# Allegro board Learn.brd (continued)
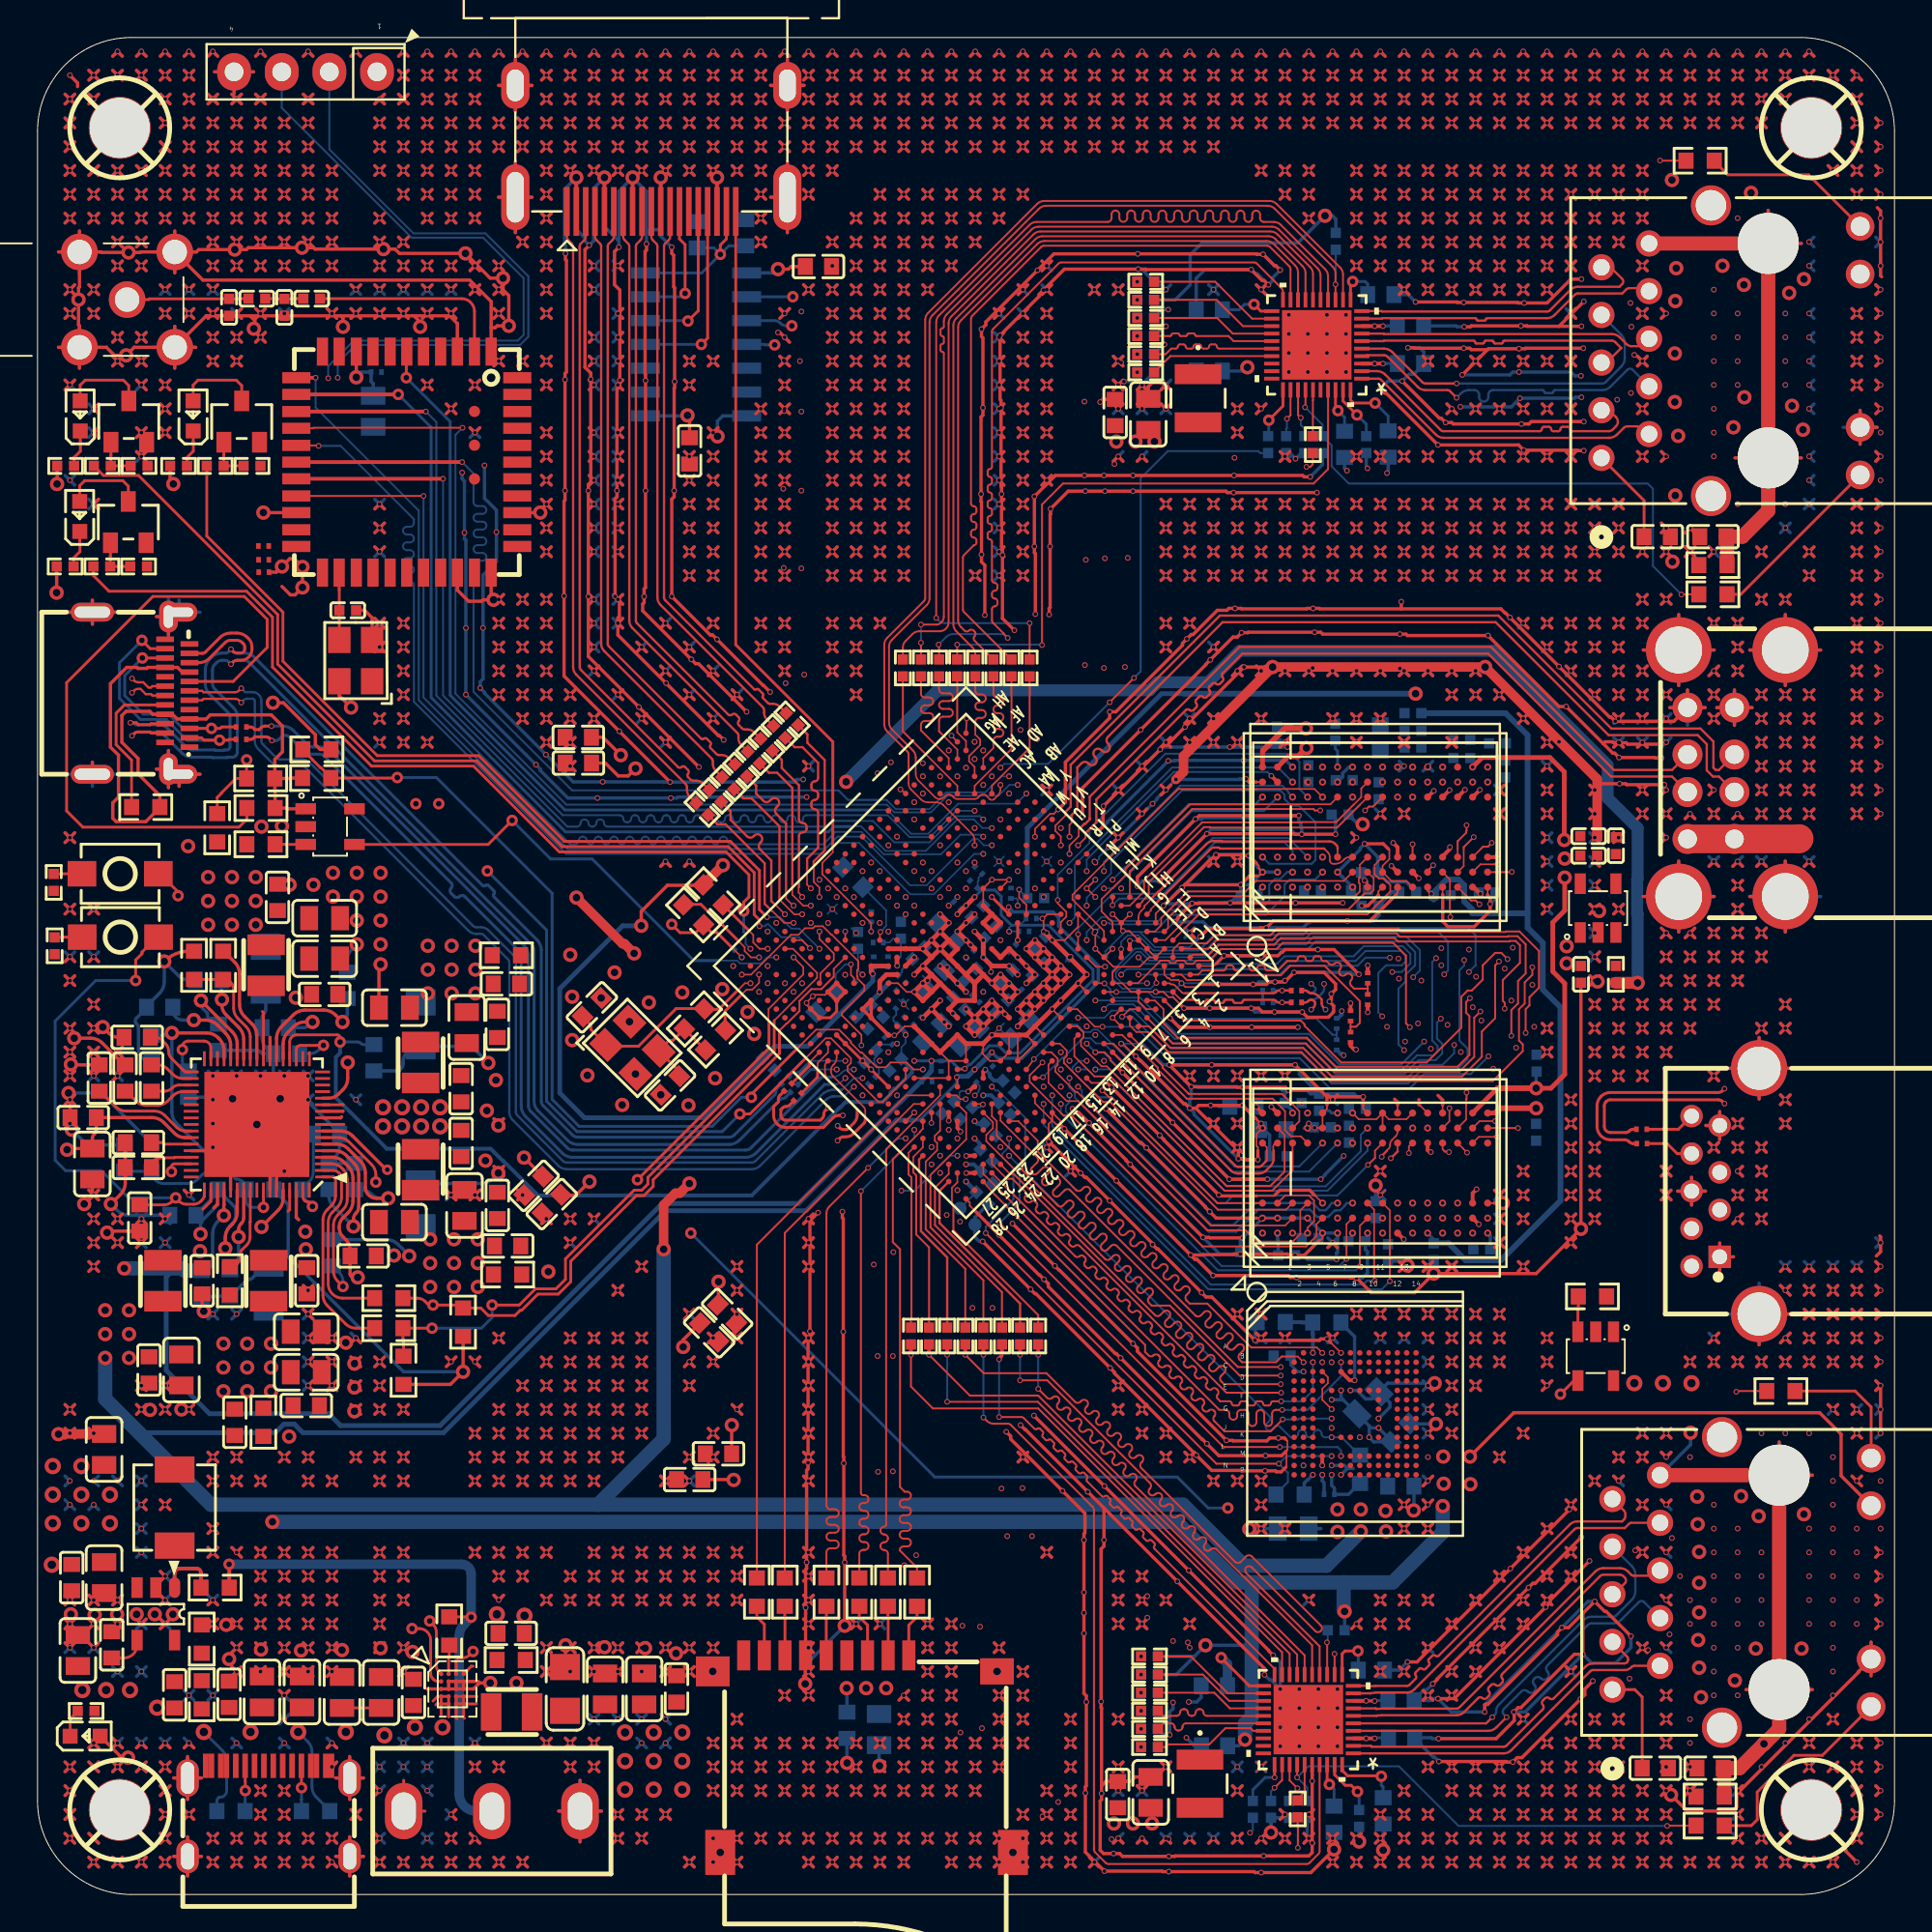
[diagram p0: board, top side]
## Routing (per net, layer and track width the routed paths; a pad name or vN(x,y) marks a point on that pad's centre or on a via; arc(x,y) is an arc through that point) (continued)
VCC3V3_PMU: length 174.8
  TOP w0.178: v3(32.18,51.64) 32.18,52.4 33.58,53.79 35.46,53.79 R47.1 ; R49.2 v3(22.68,27.86) 22.01,27.19 R48.2 ; v3(7.16,45.92) 9,45.92 arc(9.34,45.86) 9.63,45.66 9.68,45.61 arc(9.87,45.33) 9.94,44.99 U4.31
  TOP w0.254: U5.W19 U5.Y20 44.44,49.16 v1(44.53,49.07)
  TOP w0.508: v3(36.53,54.86) R47.1
  TOP w0.635: v3(85.29,48.59) 85.29,48.6 R42.1
  SIG w0.254: v3(32.18,51.64) 31.75,51.21 27.05,51.21 25.96,50.11 25.96,48.95 24.38,47.37 14.48,47.37 13.03,45.92 v3(7.16,45.92)
  SIG w0.635: v3(43.1,59.31) 38.05,54.25 37.15,54.25 v3(36.53,54.86)
  BOTTOM w0.089: C150.1 45.04,49.44 45.03,49.43 C142.1 44.57,49.12 v1(44.53,49.07)
  BOTTOM w0.178: C37.1 7.04,45.8 v3(7.16,45.92) 7.16,41.72 arc(7.23,41.38) 7.42,41.09 9.01,39.5 arc(9.3,39.31) 9.64,39.24 11.17,39.24 arc(11.51,39.18) 11.8,38.98 12.38,38.41 arc(12.53,38.18) 12.58,37.91 R25.1 12.58,37.55 13.36,36.77 13.36,34.01 19.51,27.86 v3(22.68,27.86)
  BOTTOM w0.254: v1(44.53,49.07) 44.53,48.69 41.04,45.21 39.29,45.21 C149.1 35.48,41.4 29.16,41.4 27.84,42.72 27.84,48.29 31.19,51.64 v3(32.18,51.64)
  BOTTOM w0.635: v3(43.1,59.31) 47.98,64.19 59.28,64.19 59.72,64.62 62.41,64.62 64.08,66.29 77.6,66.29 83.69,60.2 83.69,58.45 85.29,56.85 85.29,54.13 85.27,54.1 85.27,52.27 85.29,52.25 v3(85.29,48.59)
VCC3V3_SD: length 64.3
  TOP w0.178: U4.58 10.99,36.07 arc(10.96,35.91) 10.87,35.77 10.84,35.75 arc(10.75,35.61) 10.72,35.45 v3(10.72,35.05)
  SIG w0.762: v3(10.72,35.05) 10.92,34.85 10.92,33.6 9.5,32.18 8.36,32.18 7.59,31.42 7.59,27.71 17.14,18.16 17.14,12.47 19.25,10.36 38.05,10.36 38.84,9.58 41.71,9.58 v3(43.13,11)
  SIG w1.016: v3(45.24,11) v3(44.17,11) v3(43.13,11)
  BOTTOM w0.178: v3(43.13,11) 43.15,10.98 C173.1 ; C53.1 10.5,33.54 arc(10.66,33.79) 10.72,34.08 v3(10.72,35.05)
VCC25_DDR: length 94.5
  TOP w0.254: 77.82,42.98 U7.R9 ; v3(81.38,56.21) 81.38,59.84 80.62,60.6 77.01,60.6 v1(76.5,60.1) ; v3(81.41,54.2) 81.41,52.45 80.77,51.82 80.77,49.2 81.41,48.56 81.41,43.71 80.67,42.98 v3(79.88,42.98)
  TOP w0.305: v3(79.88,42.98) 77.82,42.98
  SIG w0.254: v1(66.1,53.7) 65.54,53.14 64.19,53.14 63.25,54.08 63.25,55.6 63.12,55.73 63.12,62.13 65.76,64.77 78.51,64.77 81.58,61.7 81.58,57.01 81.38,56.81 v3(81.38,56.21) ; v1(66.1,35.25) 66.1,32.66 66.88,31.88 79.45,31.88 80.54,32.97 80.54,42.32 v3(79.88,42.98)
  BOTTOM w0.178: v3(79.88,42.98) 79.88,43.83 C119.1 ; v1(76.5,60.1) 76.5,60.46 C118.1 ; v1(66.1,35.25) 66.1,34.93 66.13,34.89 C121.1
  vias: v3(81.41,55.22)
VCC_1V8: length 245.8
  TOP w0.089: U5.R9 v1(51.77,52.63) ; v1(49,43.56) 49.03,43.53 U5.H22
  TOP w0.152: U5.R9 v1(50.87,53.17)
  TOP w0.178: C200.1 12.73,70.48 v3(13.03,70.79) 13.44,71.2 13.68,71.2 v3(14.12,70.76) v3(14.12,69.67) 13.73,69.28 13.48,69.28 13.03,69.72
  TOP w0.203: v1(70.21,27.41) 69.95,27.41 U9.C6 ; v1(68.48,22.87) U9.M4
  TOP w0.508: v3(33.38,34.39) 33.38,36.75 34.01,37.38 34.24,37.38 v3(34.75,37.9) ; v3(28.73,53.14) 31.19,50.68 31.29,50.68 v3(31.8,50.16)
  PWR w0.178: v1(68.48,22.87) 68.48,23.2 68.38,23.3 68.38,26.62 69.16,27.41 v1(70.21,27.41)
  PWR w0.254: 6.15,24.59 4.88,25.86 v3(4.88,28.6)
  PWR w0.762: v3(71.86,20.45) 71.78,20.52 v3(70.54,20.52) ; v3(70.54,20.52) v3(69.29,20.52) ; v3(70.54,20.52) v3(70.54,19.35) ; v3(69.29,19.33) 70.51,19.33 v3(70.54,19.35) ; v3(70.54,19.35) v3(71.88,19.35)
  SIG w0.508: v3(28.73,53.14) 28,53.14 20.87,60.27 17.53,60.27 14.12,63.68 v3(14.12,69.67) ; v3(34.75,37.9) 33.17,39.47 29.46,39.47 26.54,42.39 26.54,47.02 29.69,50.16 v3(31.8,50.16)
  BOTTOM w0.152: v1(49,43.56) 49,43.25 47.03,41.27 46.71,41.27
  BOTTOM w0.178: v1(67.98,22.37) 67.7,22.09 67.68,22.09 67.52,21.93 R52.1 ; R53.1 70.47,21.91 69.89,21.33 C165.1 69.13,21.66 68.98,21.81 v1(68.98,22.37) ; R51.1 69.48,30.46 70.21,29.74 v1(70.21,27.41) ; v1(50.87,44.9) 51.19,44.58 52.48,44.58 56.54,48.64 56.54,49.5 54.43,51.61 54.43,52.07 54.13,52.37 52.02,52.37 v1(51.77,52.63) ; 68.41,19.5 C167.1
  BOTTOM w0.254: 46.71,41.27 45.8,41.27 40.97,36.45 33.48,36.45 21.64,24.61 14.15,24.61 13.69,25.07 13.13,25.07 12.67,24.61 5.41,24.61 ; v1(50.87,44.9) 50.69,44.71 50.69,44.7 C163.1 50.22,44.24 50.21,44.24 v1(49.95,43.98) 49.69,43.72 49.69,43.72 49.58,43.61 49.05,43.61 v1(49,43.56)
  BOTTOM w0.508: v3(28.73,53.14) 28.78,53.14
  BOTTOM w0.762: v3(70.54,19.35) 68.71,17.53 64.31,17.53 61.06,20.78 29.87,20.78 ; 29.87,20.78 9.25,20.78 3.61,26.42 v3(3.61,28.6) ; 29.87,20.78 33.38,24.28 v3(33.38,34.39)
  vias: v3(3.61,31.14) v3(3.61,29.87) v3(4.88,31.14) v3(4.88,29.87)
VCC_3V3: length 459.8
  TOP w0.089: U5.J21 49.39,43.98 v1(49.43,44.02)
  TOP w0.178: v3(76.35,23.34) 78.69,25.68 95,25.68 96.14,24.54 96.14,22.32 U12.13 ; C215.1 40.17,86.78 40.03,86.64 v3(39.47,86.64) ; U4.55 9.94,36.78 9.93,36.77 v3(9.93,36.2) ; C213.1 34.76,78.73 v3(34.65,78.84) ; U15.9 v3(16.99,80.87) ; v3(16.71,63.27) 16.09,63.9 Y2.4
  TOP w0.254: v1(49.95,53.17) U5.V10 v1(49.49,52.71) v1(49.03,52.25)
  PWR w0.178: v1(68.98,26.37) v1(69.48,26.87) 69.48,26.54 70.98,25.04 v1(70.98,24.37) v1(71.48,24.87)
  SIG w0.762: v3(4.62,33.38) 4.55,33.38 2.59,31.42 2.59,27.43 10.16,19.86 v3(12.52,19.86)
  SIG w1.016: 68.63,93.24 91.01,93.24 95.25,89 95.25,84.47 ; 68.63,93.24 v3(68.63,89.48) ; 68.63,93.24 64.74,93.24 63.73,92.23 ; 95.25,84.47 95.61,84.12 95.61,51.36 84.86,40.61 84.86,36.2 79.58,30.91 79.58,28.47 76.35,25.25 v3(76.35,23.34) ; 95.25,84.47 U14.13 ; v3(16.71,63.27) 16.71,64.25 16.99,64.53 v3(16.99,80.87) 18.01,81.89 20.62,81.89 23.67,78.84 v3(34.65,78.84) 37.59,81.79 37.59,84.76 v3(39.47,86.64) 45.06,92.23 63.73,92.23 ; 63.73,92.23 63.73,82.17 v3(64.49,81.41)
  BOTTOM w0.089: C187.1 50.16,54.2 50.16,54.03 50.12,53.98 50.12,53.68 50.1,53.66 ; 52.36,51.66 52.7,52 C221.1 ; 48.57,44.44 48.57,44.43 C171.1 ; v1(49.49,52.71) 49.31,52.52 C207.1 ; 51.92,51.66 51.79,51.54 v1(51.79,51.33) 51.8,51.34 C222.1 ; C174.1 47.13,43.37
  BOTTOM w0.152: 50.33,53.54 51.03,53.54 51.37,53.2 51.37,52.21 51.92,51.66 53.9,51.66 56.26,49.3 56.26,48.74 52.37,44.86 51.61,44.86 51.23,45.24 50.73,45.24 49.73,44.24 49.65,44.24 v1(49.43,44.02) 49.11,44.02 48.69,44.44 v1(47.65,44.44) v1(46.73,44.44) ; 50.33,53.54 v1(49.95,53.17) ; 50.33,53.54 50.21,53.54 50.1,53.66
  BOTTOM w0.178: 70.98,24.98 71.09,24.87 v1(71.48,24.87) 72.13,24.22 C168.2 71.23,24.12 v1(70.98,24.37) 70.98,24.98 ; 70.98,24.98 C169.2 69.59,26.37 ; v1(69.48,26.87) 69.48,26.48 69.59,26.37 ; v3(39.47,86.64) 39.27,86.44 U16.1 ; 69.59,26.37 v1(68.98,26.37) ; 61.66,12.69 v3(62.26,13.28) 64.64,13.28 64.72,13.21 ; 61.66,12.69 60.69,11.72 R74.2 ; 61.66,12.69 R76.2 ; C55.1 8.8,33.26 arc(9.18,33.42) 9.34,33.8 9.34,35.23 arc(9.41,35.57) 9.6,35.86 v3(9.93,36.2) ; v3(64.36,8.26) 64.04,7.93 C178.1 ; v3(64.49,81.41) 64.29,81.21 C191.1 ; R104.2 60.64,85 61.44,85.8 61.44,87.4 62.08,88.04 67.18,88.04 v3(68.63,89.48) 69.02,89.48 69.2,89.31 R110.2 ; U16.8 34.62,78.82 v3(34.65,78.84) ; C203.1 17.89,80.54 17.78,80.65 C231.1 17.27,81.15 v3(16.99,80.87) ; v3(69.67,15.09) 69.67,15.09 R80.2
  BOTTOM w0.254: v1(47.65,44.44) 47.65,43.92 47.57,43.84 47.57,43.81 45.97,42.21 45.95,42.21 40.56,36.83 33.3,36.83 21.46,24.99 16.15,24.99 15.52,25.63 9.17,25.63 6.86,27.94 6.86,32.92 7.2,33.26 7.83,33.26
  BOTTOM w0.762: 69.62,16.64 64.9,16.64 ; 69.62,16.64 72.24,16.64 74.9,19.3 v3(74.9,20.7) ; 69.62,16.64 69.62,15.14 v3(69.67,15.09) ; 64.9,16.64 64.72,16.46 64.72,9.46 64.36,9.11 v3(64.36,8.26) ; 64.9,16.64 63.93,16.64 60.71,19.86 v3(12.52,19.86) ; C55.1 7.83,33.26 7.72,33.38 v3(4.62,33.38)
  vias: v3(74.93,23.34) v3(74.96,21.89) v3(76.38,21.87)
VCC_3V3_SYS: length 257.1
  TOP w0.178: v3(10.01,34.44) 10.01,34.99 arc(10.08,35.33) 10.27,35.62 10.38,35.73 arc(10.57,36.02) 10.64,36.36 U4.57 ; v3(1.57,39.7) 1.64,39.76 C60.2 2.92,40.3 arc(2.95,40.42) 3.02,40.52 3.04,40.55 arc(3.11,40.65) 3.14,40.77 C61.2 6.1,41.41 arc(6.44,41.34) 6.73,41.15 7.31,40.57 arc(7.56,40.4) 7.84,40.35 U4.45 ; 16.28,41.76 16.27,41.75 U4.11 ; v3(7.24,75.18) 7.07,75.36 R138.1 ; U4.4 15.71,39.3 arc(16.05,39.23) 16.34,39.04 16.55,38.82 arc(16.75,38.53) 16.81,38.19 16.81,36.97 arc(16.75,36.63) 16.55,36.34 16.28,36.07 arc(16.13,35.84) 16.08,35.58 16.08,35.54 arc(16.13,35.28) 16.28,35.06 16.45,34.89 arc(16.6,34.66) 16.66,34.38 C40.1 16.66,33.08 arc(16.71,32.95) 16.85,32.89 v3(17.07,32.89) ; 9.4,36.6 9.59,36.79 U4.54 ; v3(8.33,46.61) 8.95,46.61 arc(9.29,46.54) 9.58,46.35 10.03,45.9 arc(10.22,45.61) 10.29,45.27 U4.30 ; U4.66 13.79,36.09 13.92,35.97 ; R137.1 1.02,69.4 v3(1.02,69.39) ; U4.22 13.09,45.34 arc(13.16,45.68) 13.35,45.97 13.64,46.25 arc(13.92,46.44) 14.26,46.51 v3(14.66,46.51) ; 16.21,41.45 16.15,41.4 U4.10 ; U4.24 12.39,45.69 ; R143.1 1.05,75.19 v3(1.04,75.18)
  PWR w0.508: v3(7.24,75.18) 7.82,74.6 ; 7.82,74.6 11.71,74.6 14.12,77.01 14.12,83.95 17.02,86.84 17.02,96.08 J2.1 ; 7.82,74.6 7.82,70.03 ; 7.82,70.03 8.56,69.29 13.39,69.29 13.79,68.88 14.45,68.88 14.86,69.29 23.47,69.29 23.98,69.8 24.64,69.8 24.66,69.77 34.01,69.77 34.32,69.47 84.05,69.47 84.43,69.85 93.55,69.85 96.16,67.23 96.16,52.3 94.41,50.55 v3(81.51,50.55) v3(81.51,49.63) ; 7.82,70.03 5.23,70.03 ; v3(1.04,75.18) 5.23,70.99 5.23,70.03 ; 5.23,70.03 4.41,69.2 ; 4.41,69.2 4.93,68.68 4.93,67.56 0.99,63.63 0.99,43.89 ; 4.41,69.2 4.22,69.39 v3(1.02,69.39)
  PWR w0.762: v4(6.38,9.96) 5.38,9.96 5.36,9.93 2.13,9.93 arc(1.16,10.33) 0.76,11.3 v4(0.76,17.58)
  BOTTOM w0.178: v3(14.66,46.51) 14.49,46.34 arc(14.34,46.24) 14.16,46.21 C22.1 ; v3(10.01,34.44) 10.01,35.01 arc(10.08,35.35) 10.27,35.64 10.37,35.74 arc(10.51,35.96) 10.57,36.22 10.57,36.6 9.62,37.55 ; 9.62,37.42 8.45,36.25 C54.1 ; 9.62,37.42 9.62,37.55 ; 9.62,37.42 9.62,36.77 8.69,35.84 v3(8.69,35.2) ; 9.62,37.55 R22.1 ; v3(8.33,46.61) 7.75,46.61 arc(7.37,46.77) 7.21,47.14 C26.1
  vias: v3(8.66,34.29) v3(13.77,47.8) v3(14.27,35.33) v3(14.3,34.39) v4(0.81,22.83) v4(0.81,21.31) v4(0.81,19.79) v4(2.34,22.83) v4(2.34,21.31) v4(2.34,19.79) v4(3.86,21.31) v4(3.86,19.79) v4(18.41,41.96) v4(18.41,40.94) v4(19.43,41.96) v4(19.43,40.94) v4(20.45,41.96) v4(20.45,40.94) v4(21.46,41.96) v4(21.46,40.94)
VCC_CPU: length 29.4
  TOP w0.089: U5.J15 v1(51.57,46.93)
  TOP w0.178: v3(37.11,22.1) 37.09,22.12 C75.1 ; C74.1 37,25.01 v3(37.01,25.02)
  TOP w0.254: v1(50.87,46.73) v1(50.41,47.19) ; v1(50.87,46.73) v1(51.33,47.19) ; v1(50.87,46.73) v1(50.41,46.27) ; v1(50.41,47.19) v1(50.87,47.65) v1(51.33,47.19) ; v1(50.41,47.19) v1(49.95,46.73) ; v1(51.33,47.19) U5.J15 ; v1(49.95,46.73) v1(49.49,46.27) v1(49.95,45.81) v1(50.41,46.27) ; v1(49.95,46.73) v1(49.49,47.19) ; v1(49.95,46.73) v1(50.41,46.27)
  PWR w1.016: v4(34.37,8.64) 37.52,11.79 37.52,13.18 35.84,14.86 v4(25.96,14.86)
  vias: v4(31.32,8.64) v4(31.32,7.11) v4(31.32,5.59) v4(32.84,8.64) v4(32.84,7.11) v4(32.84,5.59) v4(34.37,7.11) v4(34.37,5.59)
VCC_DDR4: length 61.3
  TOP w0.089: U6.L1 72.97,54.03 72.17,54.03 U6.J2 71.7,54.83 72.06,55.19 72.06,55.68 72.01,55.73 ; U7.J9 72.03,41.33 72.97,41.33 U7.L9 ; U7.J9 71.37,41.33 70.43,41.33 v1(70.1,41.65) ; U7.J9 U7.J8 ; U7.B3 66.51,37.26 67.77,37.26 68.05,36.98 68.05,35.89 67.7,35.54 v1(67.7,35.25) ; U6.J1 71.47,53.47 71.47,53.29
  TOP w0.178: 72.01,55.73 71.73,56.01 v1(70.74,56.01) ; R16.1 9.92,50.28 10.51,49.7 arc(10.7,49.41) 10.77,49.07 10.77,47.43 arc(10.84,47.09) 11.03,46.81 11.43,46.4 arc(11.62,46.12) 11.69,45.78 U4.26 ; 71.47,53.29 71.47,53.26 70.91,52.7 v1(70.59,52.7)
  TOP w0.203: v1(76.91,53.34) 76.55,53.7 U6.R1 ; U7.B9 v1(65.77,41.99) ; U7.A9 v1(64.97,41.99)
  TOP w0.254: 66.86,60.67 66.67,60.67 U6.B9 ; 53.63,49.49 v1(54.09,49.03) ; 53.63,49.49 v1(54.09,49.95) ; 53.63,49.49 v1(53.63,49.49) v1(53.17,49.95) ; v1(54.09,49.03) v1(53.63,48.57) ; v1(54.09,49.03) v1(54.55,49.49) ; v1(54.09,49.03) v1(54.55,48.57) ; v1(53.63,48.57) v1(54.09,48.11) ; v1(53.63,48.57) v1(53.17,48.11) ; v1(53.63,50.41) v1(54.09,49.95) ; v1(53.63,50.41) v1(53.17,50.87) U5.M9 v1(52.71,50.41) v1(53.17,49.95) ; v1(53.63,50.41) 53.63,50.41 v1(53.17,49.95) ; v1(54.09,49.95) v1(54.55,49.49) ; v1(54.55,49.49) v1(55.01,49.03) v1(54.55,48.57) ; v1(54.55,48.57) v1(54.09,48.11) ; v1(52.71,46.73) v1(52.25,46.27) ; v1(52.71,46.73) v1(53.17,47.19) ; v1(52.71,46.73) v1(52.25,47.19) v1(53.17,48.11) ; v1(53.17,47.19) v1(53.63,47.65) ; v1(53.17,47.19) 52.71,47.65 v1(52.71,47.65) ; v1(53.63,47.65) 53.17,48.11 v1(53.17,48.11) ; v1(53.63,47.65) v1(54.09,48.11) ; 65.33,60.99 65.3,60.95 U6.A9 ; U7.T9 77.7,41.65 77.73,41.68
  TOP w0.305: 77.73,41.68 77.96,41.91 v3(79.88,41.91) ; v3(67.64,61.11) 67.2,60.67 66.86,60.67 ; v3(67.61,62.15) 66.5,62.15 65.33,60.99
  BOTTOM w0.178: v1(70.59,52.7) 70.1,53.19 v1(70.1,53.7) 69.53,54.26 v1(69.3,54.5) 70.51,55.71 70.51,55.77 v1(70.74,56.01) 71.44,55.31 C138.1 71.95,53.98 72.95,53.98 C135.1 ; C104.1 65.04,53.44 v1(65.3,53.7) ; v3(70.64,57.05) 70.39,57.05 C129.1 ; v3(67.61,62.15) 66.99,62.15 66.89,62.25 C126.1 ; v1(70.1,60.1) 69.9,60.1 69.57,59.77 69.57,59.57 v1(69.3,59.3)
  vias: v1(65.3,35.25) v1(66.1,55.3) v1(66.9,53.7) v1(66.9,35.25) v1(67.38,42.19) v1(67.7,60.1) v1(67.7,53.7) v1(67.7,41.65) v1(69.3,40.85) v1(69.3,36.05) v1(70.1,58.5) v1(70.1,40.05) v1(70.1,35.25) v1(71.7,60.1) v1(71.7,59.3) v1(71.7,36.05) v1(71.7,35.25) v1(73.3,60.1) v1(73.3,35.25) v1(76.5,35.25) v1(77.3,60.1) v3(9.09,54.23) v3(9.09,52.96) v3(9.09,51.69) v3(10.36,54.23) v3(10.36,52.96) v3(10.36,51.69) v3(11.63,54.23) v3(11.63,52.96) v3(11.63,51.69)
VCC_GPU: length 53.3
  TOP w0.089: U5.R13 v1(49.73,50.62)
  TOP w0.178: C86.1 27.94,37.26 28.69,37.26 v3(29.42,38) ; v5(18.64,38.63) 18.59,38.63 16.79,40.44 arc(16.5,40.63) 16.16,40.7 U4.8 ; C85.1 v3(25.93,39.28)
  TOP w0.254: v1(49.95,52.25) v1(49.49,51.79) v1(49.03,51.33) 49.49,50.87 v1(49.49,50.87) U5.R13
  PWR w0.089: v1(49.73,50.62) 49.52,50.41 49.45,50.41 48.92,49.89 47.17,49.89 46.89,49.61 46.66,49.61 46.38,49.89 42.88,49.89 39.27,46.28
  PWR w0.178: 39.27,46.28 39.27,44.58 27.89,33.2 v3(27.23,33.2)
  SIG w0.508: v3(27.23,33.2) 27.23,34.85 25.36,36.72 arc(23.24,38.14) 20.74,38.63 v5(18.64,38.63)
  BOTTOM w0.089: C83.1 49.73,50.49 v1(49.73,50.62)
  vias: v3(20.93,34.92) v3(20.93,33.66) v3(20.93,32.38) v3(22.2,34.92) v3(22.2,33.66) v3(22.2,32.38) v3(23.47,34.92) v3(23.47,33.66) v3(23.47,32.38)
VCC_LOGIC: length 57.5
  TOP w0.089: v1(50.83,49.17) 50.8,49.17 50.8,49.35 U5.N13 ; U5.R16 v1(48.49,49.43)
  TOP w0.178: U4.13 15.53,42.45 arc(15.8,42.5) 16.04,42.66 16.27,42.89 arc(16.47,43.18) 16.54,43.52 v3(16.54,44.35) ; C82.1 30.14,61.68 v3(31.09,60.73) ; C81.1 30.27,60.31 30.95,59.62 31.48,59.62 v3(31.88,60.02)
  TOP w0.254: v1(49.95,51.33) v1(50.41,50.87) 50.41,50.49 v1(50.41,49.95) U5.N13 v1(51.79,49.49) v1(52.25,49.03) ; v1(48.11,49.49) U5.R16 v1(49.03,48.57) v1(49.49,48.11)
  PWR w0.089: v1(49.95,51.33) 50.55,51.93 50.55,51.97 50.6,52.02 50.6,53.04 50.57,53.06 50.57,53.29 50.6,53.31 50.6,53.57 50.55,53.62 50.55,53.98 48.29,56.24 47.85,56.24 47.7,56.08 45.62,56.08 45.47,56.24 45.11,56.24 44.83,55.96 42.52,55.96
  PWR w0.178: 42.52,55.96 33.3,55.96 28.3,50.95 28.3,50.22 28.35,50.16 28.35,50.09 v3(28.4,50.09)
  SIG w0.508: v3(16.54,44.35) 20.64,44.35 arc(21.99,44.5) 23.26,44.96 v3(28.4,50.09)
  vias: v3(20.8,50.57) v3(20.8,49.3) v3(20.8,48.03) v3(22.07,50.57) v3(22.07,49.3) v3(22.07,48.03) v3(23.34,50.57) v3(23.34,49.3) v3(23.34,48.03)
VCC_NPU: length 73.1
  TOP w0.089: U5.N19 v1(48.34,46.51)
  TOP w0.178: C91.1 36.3,31.48 v3(36.3,32.66) ; U4.64 13.09,37.11 arc(13.02,36.77) 12.83,36.48 v3(11.94,35.59) ; v3(34.42,29.18) 34.42,29.57 C90.1
  TOP w0.254: v1(47.65,47.19) v1(47.19,46.73) ; v1(47.65,47.19) v1(48.11,47.65) ; v1(47.65,47.19) U5.N19 v1(48.57,46.27)
  PWR w0.089: 44.91,40.64 44.91,42.72 46.43,44.25 46.43,44.55 46.61,44.73 46.91,44.73 47.85,45.67 47.97,45.67 v1(48.57,46.27)
  PWR w0.178: 44.91,40.64 44.91,35.61 28.09,18.8 19.79,18.8 14.17,24.41 v3(13.41,24.41)
  SIG w0.508: v3(11.94,35.59) 11.94,35.17 arc(12,34.87) 12.16,34.62 12.71,34.08 arc(13.23,33.3) 13.41,32.38 v3(13.41,24.41)
  vias: v3(9.91,29.36) v3(9.91,28.09) v3(9.91,26.82) v3(11.18,29.36) v3(11.18,28.09) v3(11.18,26.82) v3(12.45,29.36) v3(12.45,28.09) v3(12.45,26.82)
VCC_USB_HOST: length 8.2
  TOP w0.178: U21.1 90.41,33.99 ; U21.1 89.67,34.73 ; U21.1 89.67,33.25
  TOP w1.524: U19.1 U19.5 93.88,56.27 93.9,56.29
VCC_USB_OTG: length 37.7
  TOP w0.178: R135.2 12.65,60.5 13.06,60.91 13.06,62.28 12.46,62.88 9.21,62.88 8.99,62.66 U17.A9 7.45,62.66 7.2,62.91 U17.B4 6.15,62.91 5.99,63.07 4.72,63.07 4.5,62.84 4.5,61.42 5.36,60.55 5.36,59.73 6.52,58.57 R130.2 6.52,57.94 5.77,57.19 4.19,57.19 4.01,57.37 4.01,58.19 4.32,58.5 4.32,60.73 3.89,61.16 3.89,64.54 4.75,65.41 5.31,65.41 5.36,65.35 5.82,65.35 5.87,65.41 U17.B9 7.46,65.41 7.71,65.16 U17.A4 ; R135.2 12.65,58.88 12.67,58.86 R129.2 13.25,57.91 13.29,57.87 U18.1 ; R135.2 13.52,59.49 13.54,59.51 R133.2
VCCA_1V8: length 66.3
  TOP w0.152: U4.3 15.68,38.95 arc(15.97,38.89) 16.22,38.72 16.29,38.65 arc(16.45,38.41) 16.51,38.11 16.51,37.04 arc(16.45,36.75) 16.29,36.51 16,36.22 arc(15.83,35.97) 15.77,35.68 15.77,33.23 arc(15.83,32.94) 16,32.7 v2(16.28,32.41) ; U5.P9 v1(52.25,50.87)
  SIG w0.152: v1(52.25,50.87) 51.86,50.87 49.83,48.84 49.83,47.98 49.63,47.78 48.77,47.78 46.35,45.36 v1(45.81,45.36)
  SIG w0.254: v2(16.28,32.41) 16.28,33.05 18.82,35.59 23.75,35.59 24.13,35.2 24.13,33.48 27.05,30.56 32.54,30.56 41.02,39.04 41.02,43.41 41.35,43.74 41.35,44.48 42.7,45.82 44.98,45.82 45.45,45.36 v1(45.81,45.36)
  BOTTOM w0.089: v1(45.81,45.36) 45.61,45.36 C152.1 45.02,45.31 C151.1 44.7,44.65 44.6,44.55 44.6,44.32 44.85,44.07 44.85,43.77 C220.1 ; v1(52.25,50.87) 52.15,50.77 C219.1
  BOTTOM w0.152: v2(16.28,32.41) 16.28,32.69 arc(16.23,32.93) 16.1,33.13 C38.1
VCCIO_ACODEC: length 4.6
  TOP w0.178: U4.28 10.99,45.59 arc(10.92,45.93) 10.73,46.22 10.02,46.92 arc(9.88,47.14) 9.83,47.39 v3(9.83,47.7)
  BOTTOM w0.178: C25.1 9.81,47.72 v3(9.83,47.7)
VCCIO_SD: length 5.6
  TOP w0.178: v3(8.71,47.65) 10.38,45.98 arc(10.57,45.69) 10.64,45.35 U4.29
  BOTTOM w0.178: C36.1 9.59,46.39 arc(9.21,46.55) 9.06,46.93 9.06,46.98 8.82,47.22 arc(8.74,47.33) 8.71,47.47 v3(8.71,47.65)
VDD_CPU_COM: length 45.1
  TOP w0.152: U3.A4 23.12,12.17 23.22,12.17
  PWR w0.089: v1(50.41,48.11) 50.41,47.82 50.12,47.52 49.35,47.52 49.12,47.29 49.12,46.33 45.52,42.72 45.52,40.03
  PWR w0.152: 45.52,40.03 45.52,35.79 25.09,15.36 24.91,15.36 v4(24.49,14.94)
VIN_5V: length 251.8
  TOP w0.152: U3.D1 U3.D2 U3.E2 ; U3.D1 21.33,10.56 21.08,10.31 ; U3.D1 U3.E1 ; U4.33 9.24,45.12 arc(9.13,45.38) 8.87,45.49 8.03,45.49 arc(7.81,45.4) 7.72,45.19 v2(7.72,45.03) ; U2.4 5.31,13.31 arc(5.1,12.81) 4.61,12.61 C5.1 ; U3.E2 21.91,9.48 21.92,9.47 ; U3.E2 U3.E1 ; U3.E1 21.51,9.58 ; U3.E1 21.28,10.16 21.23,10.11 ; C11.1 C10.1 ; 20.66,4.45 SW1.1 19.52,6.09 ; v2(36.4,87.43) 36.4,87.93 36.72,88.25 J1.18
  PWR w1.016: v4(21.59,8.92) 24.26,8.92 26.49,6.68 26.49,3.23 27.84,1.88 33.17,1.88 35.86,4.57 51.41,4.57 54.23,7.39 54.23,16.64 55.68,18.08 77.47,18.08 v4(86.64,27.25)
  SIG w0.152: v2(21.39,58.14) v2(20.17,58.14) 20.17,57 18.57,55.4 8.41,55.4 8.28,55.27 7.77,55.27 7.65,55.4 4.19,55.4
  SIG w0.203: v2(36.4,87.43) 36.05,87.08 31.91,87.08 27.64,82.8 12.83,82.8 1.52,71.5 1.52,69.8 1.65,69.67 1.65,69.11 1.52,68.99 1.52,58.06 4.19,55.4 4.19,46.79 6.45,44.53 7.21,44.53
  SIG w0.508: v2(7.72,45.03) 6.15,43.46 6.15,41.58 1.7,37.13 1.7,27 8.46,20.24 8.46,13.49 5.87,10.9 v4(4.93,10.9)
  BOTTOM w0.152: C214.1 36.05,87.77 v2(36.4,87.43) ; v4(13.89,8.66) 14.41,8.15 arc(14.57,7.9) 14.63,7.61 14.63,5.73 arc(14.69,5.44) 14.85,5.19 15.57,4.47 R1.2 ; v2(36.4,87.43) 36.85,87.88 C216.1 ; v2(36.4,87.43) 35.41,86.44 U16.14 ; v4(8.86,8.66) 9.86,7.67 arc(10.03,7.42) 10.08,7.13 10.08,5.54 arc(9.98,5.29) 9.73,5.18 9.68,5.18 9.61,5.11 arc(9.57,5.06) 9.56,4.99 R2.2 ; C62.1 7.87,44.08 arc(7.76,44.24) 7.72,44.44 v2(7.72,45.03)
  vias: v4(2.39,10.9) v4(3.66,10.9) v4(11.35,8.66) v4(16.43,8.66) v4(18.49,8.48) v4(20.12,8.92) v4(85.12,27.25) v4(88.16,27.25)
DDR4_A0: length 46.1
  TOP w0.089: U5.B6 59.56,47.65 60.02,47.19 60.02,46.55 ; 75.7,55.73 U6.P3
  TOP w0.104: v1(76.35,47.78) 76.15,47.57 76.15,47.01 76.33,46.83 76.33,44.75 75.69,44.12 69.22,44.12 67.67,45.67 60.78,45.67 60.02,46.43 60.02,46.55 ; 75.7,55.73 75.7,56.14 76.15,56.59 76.15,56.68 76.17,56.71 v1(76.17,57)
  SIG w0.104: v1(75.7,36.85) 75.7,38.66 76.23,39.19 76.35,39.19 76.58,39.42 76.58,42.24 76.77,42.43 76.77,43.06 76.73,43.1 76.73,45.34 76.28,45.8 76.28,46.81 76.15,46.94 76.15,47.57 v1(76.35,47.78) 77.04,48.46 77.04,51.74 76.25,52.53 76.25,53.04 76.3,53.09 76.3,56.08 76.17,56.21 v1(76.17,57)
DDR4_A1: length 44.9
  TOP w0.089: 76.1,39.65 75.99,39.75 75.99,39.76 U7.P7
  TOP w0.104: v1(76.2,39.55) 76.1,39.65
  TOP w0.203: 57.76,49.95 57.76,50.39 v1(57.76,50.39) ; U6.P7 v1(76.09,58.89)
  SIG w0.104: v1(76.09,58.89) 76.09,58.6 75.82,58.33 75.82,56.16 76.05,55.93 76.05,53.19 76,53.14 76,51.33 76.66,50.67 76.66,50.22 76.4,49.96 76.4,49.61 76.3,49.5 v1(76.3,49.17) 76.3,48.26 75.77,47.73 75.77,46.96 76.02,46.71 76.02,45.69 76.48,45.24 76.48,43 76.53,42.95 76.53,42.6 76.35,42.42 76.35,40.11 76.2,39.95 v1(76.2,39.55)
  BOTTOM w0.089: 62.02,50.44 61.9,50.32 59.49,50.32 58.67,51.13 58.12,51.13 57.76,50.77 v1(57.76,50.39)
  BOTTOM w0.104: v1(76.3,49.17) 76.66,49.53 76.66,51.13 76.27,51.52 67.82,51.52 67.46,51.16 62.74,51.16 62.02,50.44
DDR4_A2: length 44.5
  TOP w0.089: U5.B1 61.58,50.09 62.37,50.09 ; 76.93,55.73 U6.R3
  TOP w0.104: 76.93,55.73 77.05,55.85 77.31,55.85 v1(77.52,56.06) ; 62.37,50.09 62.43,50.09 62.97,50.62 65.92,50.62 66.27,50.98 72.34,50.98 72.52,50.8 78.46,50.8 78.49,50.83 78.79,50.83 79.02,50.6 79.02,49.66 78.11,48.74 78.11,47.64 78.21,47.54 v1(78.21,47.22)
  TOP w0.203: v1(76.71,37.59) 76.5,37.38 U7.R3
  SIG w0.104: v1(76.71,37.59) 76.71,38.53 78.31,40.13 78.31,43.51 78.46,43.66 78.46,44.37 78.21,44.63 v1(78.21,47.22) 78.21,47.85 78.31,47.96 78.31,48.59 78.82,49.1 78.82,49.89 78.99,50.06 78.99,52.86 77.42,54.43 77.42,55.67 77.52,55.77 v1(77.52,56.06)
DDR4_A3: length 42.4
  TOP w0.089: U7.N7 74.9,39.72 74.97,39.65
  TOP w0.104: 74.97,39.65 75.02,39.6 75.16,39.6 75.18,39.57 v1(75.23,39.57)
  TOP w0.203: U5.F4 v1(58.22,50.84) ; U6.N7 v1(75.27,58.87)
  SIG w0.104: v1(75.27,58.87) 75.27,57.08 74.9,56.72 74.9,55.35 75.21,55.04 75.21,52.86 74.7,52.35 74.7,51.21 75.19,50.72 75.19,49.25 v1(74.98,49.05) 74.98,48.36 74.45,47.83 74.45,46.2 74.9,45.75 74.9,44.53 75.29,44.15 75.29,42.42 75.62,42.09 75.62,40.44 75.23,40.06 v1(75.23,39.57)
  BOTTOM w0.089: v1(58.22,50.84) 58.71,50.84 59.41,50.14 62.08,50.14 62.2,50.26
  BOTTOM w0.104: v1(74.98,49.05) 75.19,49.25 75.19,50.8 74.7,51.29 67.93,51.29 67.54,50.9 62.84,50.9 62.2,50.26
DDR4_A4: length 43.4
  TOP w0.203: U6.N3 74.9,55.34 75.29,55.73 v1(75.29,55.83)
  SIG w0.104: v1(74.9,36.85) 74.9,38.73 75.59,39.42 75.59,40.06 75.87,40.34 75.87,42.19 75.54,42.52 75.54,44.25 75.16,44.63 75.16,45.85 74.8,46.2 v1(74.8,46.69) 74.8,47.83 75.44,48.46 75.44,50.83 74.96,51.31 74.96,52.25 75.46,52.76 75.46,55.36 75.29,55.54 v1(75.29,55.83)
  BOTTOM w0.089: v1(56.85,47.19) 57.1,47.45 58.42,47.45 59.67,46.2
  BOTTOM w0.104: v1(74.8,46.69) 74.6,46.48 74.6,45.62 74.88,45.34 74.88,44.83 74.52,44.48 73.61,44.48 72.87,43.74 69.19,43.74 67.56,45.36 60.5,45.36 59.67,46.2
DDR4_A5: length 46.5
  TOP w0.089: U7.P8 76.15,41.31 76.15,42.09 ; U5.B7 58.22,47.19 v1(57.81,46.79)
  TOP w0.104: v1(76.17,42.75) 76.17,42.42 76.15,42.39 76.15,42.09
  SIG w0.104: v1(75.7,59.3) 75.7,58.78 75.56,58.65 75.56,56.06 75.79,55.83 75.79,53.29 75.74,53.24 75.74,51.23 75.95,51.03 75.95,50.2 76.05,50.1 v1(76.05,49.81) 76.05,49.5 75.95,49.4 75.95,48.26 75.46,47.78 75.46,46.91 75.77,46.61 75.77,45.59 76.23,45.14 76.23,43.09 76.17,43.04 v1(76.17,42.75)
  BOTTOM w0.089: v1(57.81,46.79) 58.37,46.79 59.31,45.84
  BOTTOM w0.104: 59.31,45.84 60.33,44.83 67.39,44.83 68.99,43.23 73.05,43.23 73.81,43.99 75.69,43.99 76.23,44.53 76.23,45.09 75.79,45.52 75.79,49.26 76.05,49.52 v1(76.05,49.81)
DDR4_A6: length 45.4
  TOP w0.089: U6.P2 76.02,54.82 76.02,55.73 ; U5.A7 59.67,46.2
  TOP w0.104: 76.02,55.73 76.02,55.83 v1(76.56,56.36) ; 59.67,46.2 60.51,45.36 67.61,45.36 69.11,43.87 75.79,43.87 76.58,44.65 76.58,46.74 v1(76.91,47.07)
  SIG w0.104: v1(75.7,36.05) 76.07,36.43 76.07,38.58 76.83,39.34 76.83,42.16 77.01,42.34 77.01,43.18 76.99,43.21 76.99,45.69 76.53,46.15 76.53,46.68 v1(76.91,47.07) 76.91,47.98 77.29,48.36 77.29,51.84 76.5,52.63 76.5,52.93 76.56,52.98 v1(76.56,56.36)
DDR4_A7: length 45.7
  TOP w0.089: U7.R8 76.87,41.22 77.65,41.22 ; U5.A8 59.24,46.27 59.49,46.02
  TOP w0.104: v1(77.9,49.73) 77.7,49.53 77.7,47.35 77.7,47.35 77.7,46.71 76.99,46 76.99,44.65 75.95,43.61 68.99,43.61 67.46,45.13 60.38,45.13 59.49,46.02 ; v1(77.7,41.22) 77.65,41.22
  SIG w0.104: v1(76.5,59.3) 76.5,57.23 76.91,56.82 76.91,54.23 77.9,53.24 v1(77.9,49.73) 77.8,49.63 77.8,48.16 77.6,47.96 77.6,46.94 77.7,46.84 77.7,44.42 77.95,44.17 77.95,43.87 77.7,43.61 v1(77.7,41.22)
DDR4_A8: length 47.1
  TOP w0.089: U6.R2 76.92,54.91 77.65,54.91 ; U5.C1 62.04,50.41
  TOP w0.104: 77.65,54.91 v1(77.85,54.91) ; 62.04,50.41 62.4,50.41 62.87,50.88 65.81,50.88 66.17,51.23 72.44,51.23 72.62,51.05 78.36,51.05 78.38,51.08 78.89,51.08 79.32,50.65 79.32,49.1 78.92,48.69 78.92,47.5 78.56,47.14 v1(78.56,45.77)